# Altium PCB LED_MATRIX_8X16_MONO_R1.PcbDoc (part 2 of 2)
Units mm, origin at the board's own origin, x right, y up, seen from the top; angles counter-clockwise.
Board outline 474.95 x 224.95 mm, 2 copper layers (L1 (TOP), L2 (BOT)); 180 components, 159 nets, 556 pads, 137 vias.
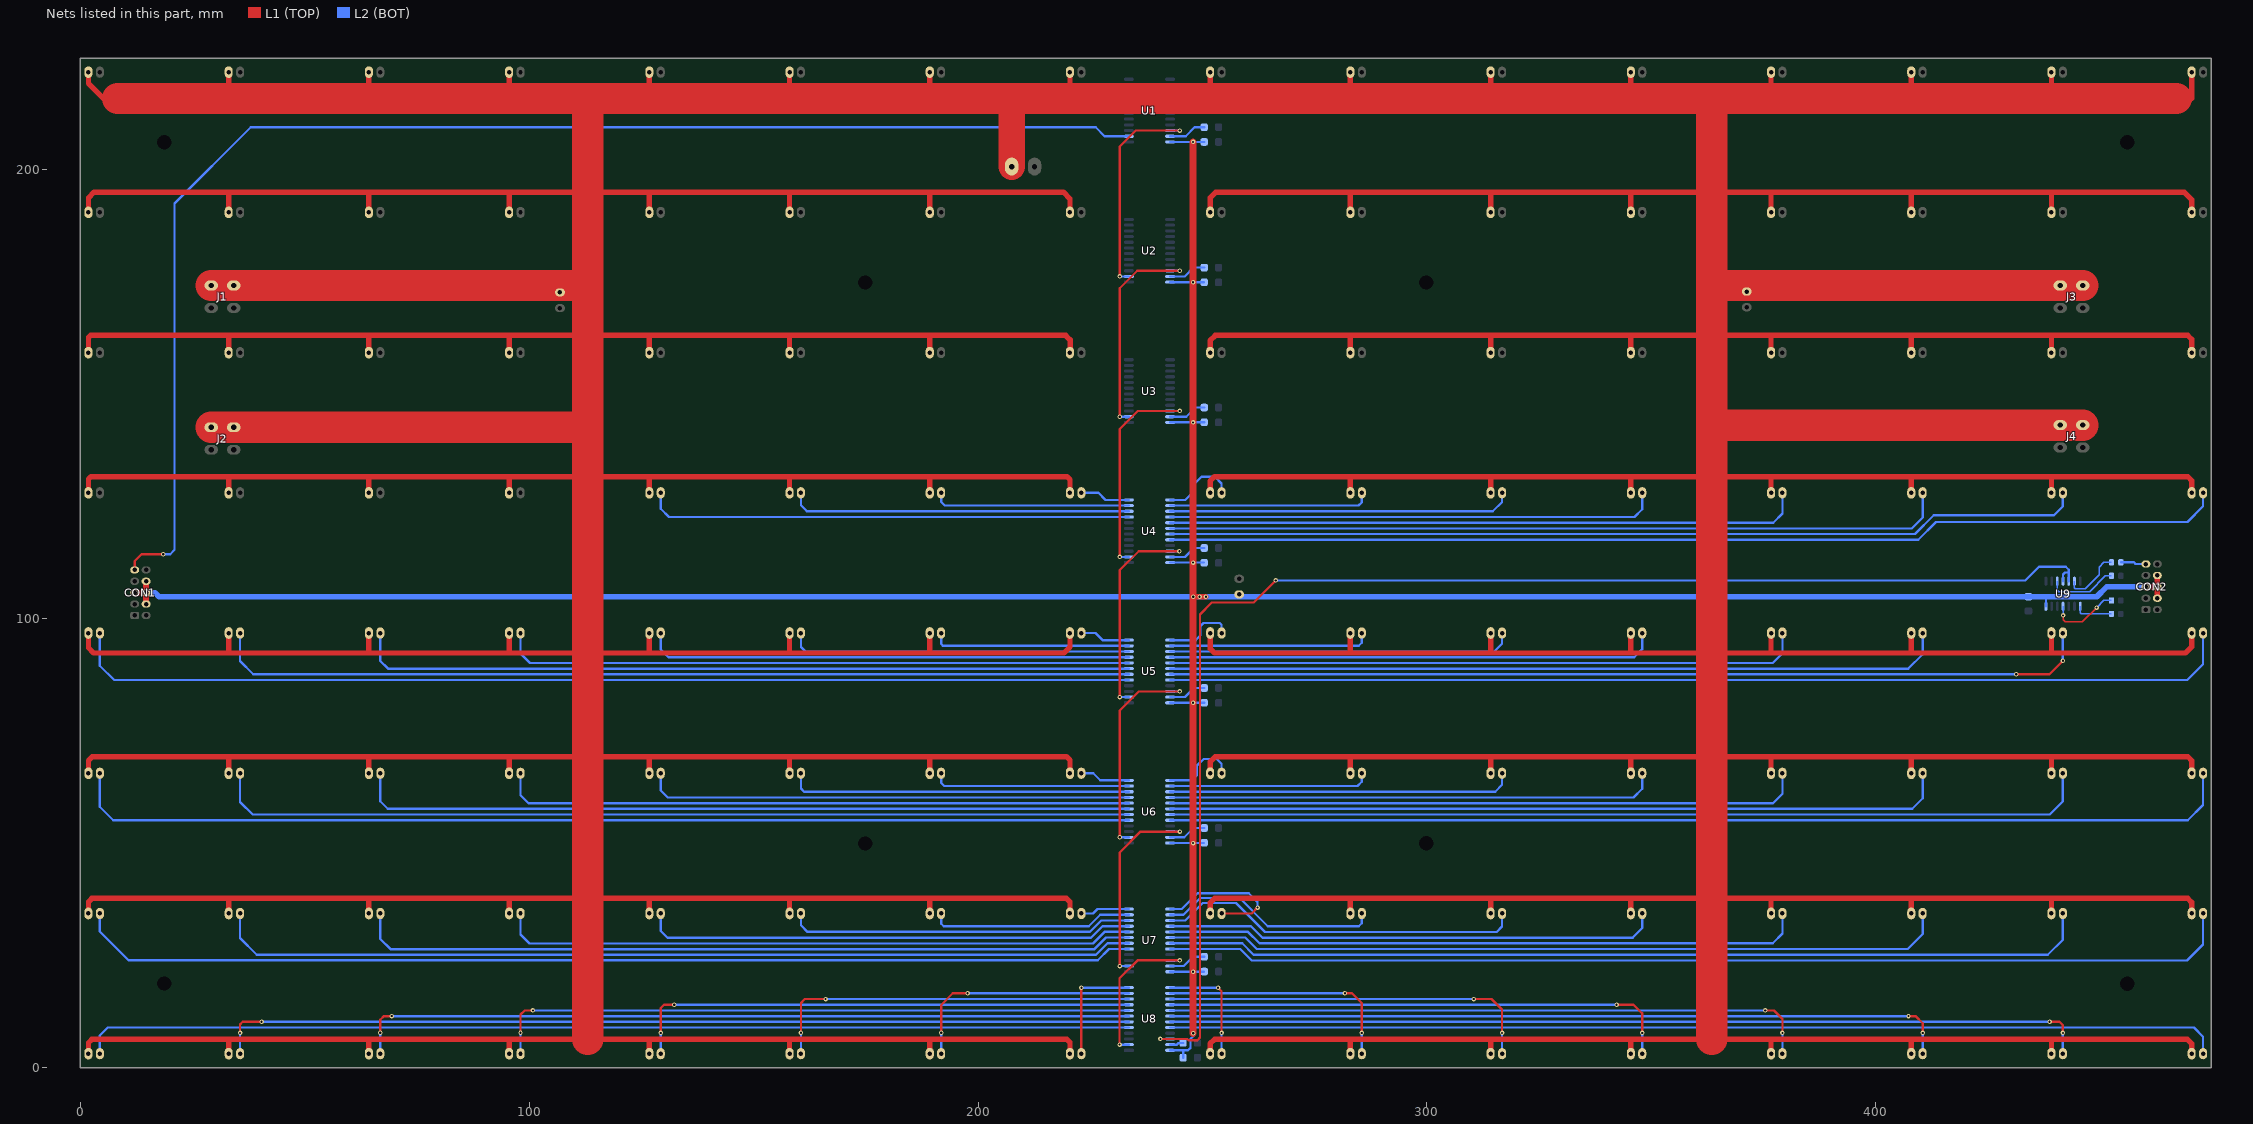
[diagram p2: the nets of this part, all layers, seen from the top]

## Via types
v1: diameter 1, hole 0.5, L1 (TOP) to L2 (BOT), tented both sides, 137 vias

## Nets (pads, with @x,y where several pads share a name; then routed paths per layer and width w, separated by ;. In a path a pad name is that pad's centre, name@x,y a point inside that pad or via, vN(x,y) a via of type N, cw(c..) or ccw(c..) an arc to the next point about the centre after c; other vN are vias at no path point) (continued)
NetD53_2: D53.2 U4.9 | length 108.6
  L2 (BOT) w0.508: D53.2@129.27,128 129.27,124.453 131.117,122.607 U4.9@233.601,122.607
NetD54_2: D54.2 U4.10 | length 76.4
  L2 (BOT) w0.508: D54.2@160.52,128 160.52,125.2 161.843,123.877 U4.10@233.601,123.877
NetD55_2: D55.2 U4.11 | length 44.2
  L2 (BOT) w0.508: D55.2@191.77,128 191.77,125.928 192.551,125.147 U4.11@233.601,125.147
NetD56_2: D56.2 U4.12 | length 11.2
  L2 (BOT) w0.508: D56.2@223.02,128 226.833,128 228.416,126.417 U4.12@233.601,126.417
NetD57_2: D57.2 U4.13 | length 17.3
  L2 (BOT) w0.508: U4.13@242.801,126.417 246.194,126.417 248.326,128.549 248.326,130.148 249.778,131.6 252.746,131.6 254.27,130.076 D57.2@254.27,128
NetD58_2: D58.2 U4.14 | length 45.2
  L2 (BOT) w0.508: U4.14@242.801,125.147 284.808,125.147 285.52,125.859 D58.2@285.52,128
NetD59_2: D59.2 U4.15 | length 76.9
  L2 (BOT) w0.508: U4.15@242.801,123.877 314.725,123.877 316.77,125.921 D59.2@316.77,128
NetD60_2: D60.2 U4.16 | length 109.6
  L2 (BOT) w0.508: U4.16@242.801,122.607 346.317,122.607 348.02,124.31 D60.2@348.02,128
NetD61_2: D61.2 U4.17 | length 141.9
  L2 (BOT) w0.508: U4.17@242.801,121.337 377.209,121.337 379.27,123.397 D61.2@379.27,128
NetD62_2: D62.2 U4.18 | length 174.2
  L2 (BOT) w0.508: U4.18@242.801,120.067 408.076,120.067 410.52,122.51 D62.2@410.52,128
NetD63_2: D63.2 U4.19 | length 204.5
  L2 (BOT) w0.508: U4.19@242.801,118.797 408.797,118.797 413,123 439.77,123 441.77,125 D63.2@441.77,128
NetD64_2: D64.2 U4.20 | length 236.3
  L2 (BOT) w0.508: U4.20@242.801,117.527 409.527,117.527 413.5,121.5 469.52,121.5 473.02,125 D64.2@473.02,128
NetD65_2: D65.2 U5.5 | length 237.9
  L2 (BOT) w0.508: D65.2@4.27,96.75 4.27,89.481 7.474,86.277 U5.5@233.601,86.277
NetD66_2: D66.2 U5.6 | length 205.6
  L2 (BOT) w0.508: D66.2@35.52,96.75 35.52,90.498 38.471,87.547 U5.6@233.601,87.547
NetD67_2: D67.2 U5.7 | length 173.8
  L2 (BOT) w0.508: D67.2@66.77,96.75 66.77,90.515 68.468,88.817 U5.7@233.601,88.817
NetD68_2: D68.2 U5.8 | length 141
  L2 (BOT) w0.508: D68.2@98.02,96.75 98.02,92.206 100.14,90.087 U5.8@233.601,90.087
NetD69_2: D69.2 U5.9 | length 108.7
  L2 (BOT) w0.508: D69.2@129.27,96.75 129.27,93.073 130.986,91.357 U5.9@233.601,91.357
NetD70_2: D70.2 U5.10 | length 76.6
  L2 (BOT) w0.508: D70.2@160.52,96.75 160.52,93.64 161.533,92.627 U5.10@233.601,92.627
NetD71_2: D71.2 U5.11 | length 44.5
  L2 (BOT) w0.508: D71.2@191.77,96.75 191.77,94.282 192.155,93.897 U5.11@233.601,93.897
NetD72_2: D72.2 U5.12 | length 11.2
  L2 (BOT) w0.508: D72.2@223.02,96.75 226.142,96.75 227.726,95.167 U5.12@233.601,95.167
NetD73_2: D73.2 U5.13 | length 16.3
  L2 (BOT) w0.508: U5.13@242.801,95.167 248.502,95.167 249.586,96.25 249.586,98.325 250.261,99 253.86,99 254.27,98.59 D73.2@254.27,96.75
NetD74_2: D74.2 U5.14 | length 45.2
  L2 (BOT) w0.508: U5.14@242.801,93.897 284.848,93.897 285.52,94.569 D74.2@285.52,96.75
NetD75_2: D75.2 U5.15 | length 77.1
  L2 (BOT) w0.508: U5.15@242.801,92.627 315.02,92.627 316.77,94.377 D75.2@316.77,96.75
NetD76_2: D76.2 U5.16 | length 109.6
  L2 (BOT) w0.508: U5.16@242.801,91.357 346.216,91.357 348.02,93.16 D76.2@348.02,96.75
NetD77_2: D77.2 U5.17 | length 141.9
  L2 (BOT) w0.508: U5.17@242.801,90.087 377.113,90.087 379.27,92.243 D77.2@379.27,96.75
NetD78_2: D78.2 U5.18 | length 173.8
  L2 (BOT) w0.508: U5.18@242.801,88.817 407.31,88.817 410.52,92.027 D78.2@410.52,96.75
NetD79_2: D79.2 U5.19 | length 206.4
  L1 (TOP) w0.508: v1(431.375,87.554) 438.764,87.554 v1(441.77,90.56)
  L2 (BOT) w0.508: U5.19@242.801,87.547 v1@431.375,87.547 ; v1@431.368,87.547 v1(431.375,87.554) ; v1(441.77,90.56) D79.2@441.77,96.75
NetD80_2: D80.2 U5.20 | length 238.6
  L2 (BOT) w0.508: U5.20@242.801,86.277 469.503,86.277 473.02,89.793 D80.2@473.02,96.75
NetD81_2: D81.2 U6.5 | length 238.1
  L2 (BOT) w0.508: D81.2@4.27,65.5 4.27,58.014 7.257,55.027 U6.5@233.601,55.027
NetD82_2: D82.2 U6.6 | length 205.6
  L2 (BOT) w0.508: D82.2@35.52,65.5 35.52,59.106 38.329,56.297 U6.6@233.601,56.297
NetD83_2: D83.2 U6.7 | length 173.8
  L2 (BOT) w0.508: D83.2@66.77,65.5 66.77,59.248 68.451,57.567 U6.7@233.601,57.567
NetD84_2: D84.2 U6.8 | length 141.2
  L2 (BOT) w0.508: D84.2@98.02,65.5 98.02,60.614 99.798,58.837 U6.8@233.601,58.837
NetD85_2: D85.2 U6.9 | length 108.8
  L2 (BOT) w0.508: D85.2@129.27,65.5 129.27,61.656 130.82,60.107 U6.9@233.601,60.107
NetD86_2: D86.2 U6.10 | length 76.8
  L2 (BOT) w0.508: D86.2@160.52,65.5 160.52,62.073 161.216,61.377 U6.10@233.601,61.377
NetD87_2: D87.2 U6.11 | length 44.3
  L2 (BOT) w0.508: D87.2@191.77,65.5 191.77,63.315 192.438,62.647 U6.11@233.601,62.647
NetD88_2: D88.2 U6.12 | length 11.2
  L2 (BOT) w0.508: D88.2@223.02,65.5 225.65,65.5 227.234,63.917 U6.12@233.601,63.917
NetD89_2: D89.2 U6.13 | length 17.2
  L2 (BOT) w0.508: U6.13@242.801,63.917 247.62,63.917 248.811,65.108 248.811,67.208 250.286,68.682 253.185,68.682 254.27,67.598 D89.2@254.27,65.5
NetD90_2: D90.2 U6.14 | length 45
  L2 (BOT) w0.508: U6.14@242.801,62.647 284.59,62.647 285.52,63.577 D90.2@285.52,65.5
NetD91_2: D91.2 U6.15 | length 77.2
  L2 (BOT) w0.508: U6.15@242.801,61.377 315.237,61.377 316.77,62.91 D91.2@316.77,65.5
NetD92_2: D92.2 U6.16 | length 109.5
  L2 (BOT) w0.508: U6.16@242.801,60.107 346.083,60.107 348.02,62.043 D92.2@348.02,65.5
NetD93_2: D93.2 U6.17 | length 141.9
  L2 (BOT) w0.508: U6.17@242.801,58.837 377.155,58.837 379.27,60.952 D93.2@379.27,65.5
NetD94_2: D94.2 U6.18 | length 174.3
  L2 (BOT) w0.508: U6.18@242.801,57.567 408.177,57.567 410.52,59.91 D94.2@410.52,65.5
NetD95_2: D95.2 U6.19 | length 206.4
  L2 (BOT) w0.508: U6.19@242.801,56.297 438.824,56.297 441.77,59.243 D95.2@441.77,65.5
NetD96_2: D96.2 U6.20 | length 238.7
  L2 (BOT) w0.508: U6.20@242.801,55.027 469.62,55.027 473.02,58.426 D96.2@473.02,65.5
NetD97_2: D97.2 U7.5 | length 237
  L2 (BOT) w0.508: D97.2@4.27,34.25 4.27,30.23 10.656,23.844 226.692,23.844 229.18,26.332 U7.5@233.609,26.332
NetD98_2: D98.2 U7.6 | length 206.2
  L2 (BOT) w0.508: D98.2@35.52,34.25 35.52,28.764 39.254,25.03 226.253,25.03 228.825,27.602 U7.6@233.609,27.602
NetD99_2: D99.2 U7.7 | length 174.5
  L2 (BOT) w0.508: D99.2@66.77,34.25 66.77,28.556 69.026,26.3 225.949,26.3 228.521,28.872 U7.7@233.609,28.872
NetD100_2: D100.2 U7.8 | length 142.2
  L2 (BOT) w0.508: D100.2@98.02,34.25 98.02,29.547 99.997,27.57 225.594,27.57 228.166,30.142 U7.8@233.609,30.142
NetD101_2: D101.2 U7.9 | length 109.9
  L2 (BOT) w0.508: D101.2@129.27,34.25 129.27,30.364 130.794,28.84 225.165,28.84 227.737,31.412 U7.9@233.609,31.412
NetD102_2: D102.2 U7.10 | length 77.4
  L2 (BOT) w0.508: D102.2@160.52,34.25 160.52,31.606 161.984,30.142 224.917,30.142 ; 224.892,30.142 227.432,32.682 U7.10@233.609,32.682
NetD103_2: D103.2 U7.11 | length 45.4
  L2 (BOT) w0.508: D103.2@191.77,34.25 191.77,31.973 192.363,31.38 224.656,31.38 227.227,33.952 U7.11@233.609,33.952
NetD104_2: D104.2 U7.12 | length 11
  L2 (BOT) w0.508: D104.2@223.02,34.25 225.626,34.25 226.598,35.222 U7.12@233.609,35.222
NetD105_2: D105.2 U7.13 | length 31.5
  L1 (TOP) w0.508: D105.2@254.27,34.25 260.97,34.25 v1(262.28,35.56)
  L2 (BOT) w0.508: U7.13@242.809,35.222 245.407,35.222 248.92,38.735 260.35,38.735 262.28,36.805 v1(262.28,35.56)
NetD106_2: D106.2 U7.14 | length 49.3
  L2 (BOT) w0.508: U7.14@242.809,33.952 245.788,33.952 249.53,37.694 258.293,37.694 264.586,31.4 284.86,31.4 285.52,32.06 D106.2@285.52,34.25
NetD107_2: D107.2 U7.15 | length 81.7
  L2 (BOT) w0.508: U7.15@242.809,32.682 246.194,32.682 250.088,36.576 257.505,36.576 263.951,30.13 315.582,30.13 316.77,31.318 D107.2@316.77,34.25
NetD108_2: D108.2 U7.16 | length 110.4
  L2 (BOT) w0.508: U7.16@242.809,31.412 260.815,31.412 263.367,28.86 345.879,28.86 348.02,31.001 D108.2@348.02,34.25
NetD109_2: D109.2 U7.17 | length 142.9
  L2 (BOT) w0.508: U7.17@242.809,30.142 260.172,30.142 262.724,27.59 377.101,27.59 379.27,29.759 D109.2@379.27,34.25
NetD110_2: D110.2 U7.18 | length 174.7
  L2 (BOT) w0.508: U7.18@242.809,28.872 259.537,28.872 262.089,26.32 407.172,26.32 410.52,29.668 D110.2@410.52,34.25
NetD111_2: D111.2 U7.19 | length 207.3
  L2 (BOT) w0.508: U7.19@242.809,27.602 258.851,27.602 261.403,25.05 438.419,25.05 441.77,28.401 D111.2@441.77,34.25
NetD112_2: D112.2 U7.20 | length 239.6
  L2 (BOT) w0.508: U7.20@242.809,26.332 258.42,26.332 260.972,23.78 469.441,23.78 473.02,27.359 D112.2@473.02,34.25
NetD113_2: D113.2 U8.5 | length 234.1
  L2 (BOT) w0.508: D113.2@4.27,3 4.27,7.07 6.027,8.827 U8.5@233.601,8.827
NetD114_2: D114.2 U8.6 | length 204.8
  L1 (TOP) w0.508: v1(35.52,7.62) 35.52,9.52 36.1,10.1 v1(40.3,10.1)
  L2 (BOT) w0.508: D114.2@35.52,3 v1(35.52,7.62) ; v1@40.303,10.097 U8.6@233.601,10.097
NetD115_2: D115.2 U8.7 | length 174.7
  L1 (TOP) w0.508: v1(66.77,7.67) 66.77,10.57 67.57,11.37 v1(69.3,11.37)
  L2 (BOT) w0.508: D115.2@66.77,3 v1(66.77,7.67) ; v1(69.3,11.37) U8.7@233.597,11.37
NetD116_2: D116.2 U8.8 | length 144.7
  L1 (TOP) w0.508: v1(98.02,7.68) 98.02,11.72 98.94,12.64 v1@100.803,12.64
  L2 (BOT) w0.508: D116.2@98.02,3 v1(98.02,7.68) ; v1(100.803,12.637) U8.8@233.601,12.637
NetD117_2: D117.2 U8.9 | length 114.8
  L1 (TOP) w0.508: v1(129.27,7.63) 129.27,13.17 130.01,13.91 v1(132.3,13.91)
  L2 (BOT) w0.508: D117.2@129.27,3 v1(129.27,7.63) ; v1(132.3,13.91) U8.9@233.597,13.91
NetD118_2: D118.2 U8.10 | length 84.8
  L1 (TOP) w0.508: v1(160.52,7.68) 160.52,14.32 161.376,15.177 v1(166.023,15.177)
  L2 (BOT) w0.508: D118.2@160.52,3 v1(160.52,7.68) ; v1(166.023,15.177) U8.10@233.601,15.177
NetD119_2: D119.2 U8.11 | length 53.8
  L1 (TOP) w0.508: v1(191.77,7.67) 191.77,13.87 194.346,16.447 v1(197.646,16.447)
  L2 (BOT) w0.508: D119.2@191.77,3 v1(191.77,7.67) ; v1(197.646,16.447) U8.11@233.601,16.447
NetD120_2: D120.2 U8.12 | length 25.3
  L1 (TOP) w0.508: D120.2@223.025,3.005 v1(223.025,17.717)
  L2 (BOT) w0.508: v1(223.025,17.717) U8.12@233.601,17.717
NetD121_2: D121.2 U8.13 | length 25.7
  L1 (TOP) w0.508: v1(253.483,17.717) 254.27,16.929 v1(254.27,7.629)
  L2 (BOT) w0.508: U8.13@242.801,17.717 v1(253.483,17.717) ; D121.2@254.27,3 v1(254.27,7.629)
NetD122_2: D122.2 U8.14 | length 54.9
  L1 (TOP) w0.508: v1(281.753,16.447) 283.353,16.447 285.52,14.279 v1(285.52,7.63)
  L2 (BOT) w0.508: U8.14@242.801,16.447 v1(281.753,16.447) ; D122.2@285.52,3 v1(285.52,7.63)
NetD123_2: D123.2 U8.15 | length 84.8
  L1 (TOP) w0.508: v1(310.476,15.177) 314.423,15.177 316.77,12.829 v1(316.77,7.629)
  L2 (BOT) w0.508: U8.15@242.801,15.177 v1(310.476,15.177) ; D123.2@316.77,3 v1(316.77,7.629)
NetD124_2: D124.2 U8.16 | length 115
  L1 (TOP) w0.508: v1(342.306,13.907) 346.093,13.907 348.02,11.979 v1(348.02,7.621)
  L2 (BOT) w0.508: U8.16@242.801,13.907 v1(342.306,13.907) ; D124.2@348.02,3 v1(348.02,7.621)
NetD125_2: D125.2 U8.17 | length 145
  L1 (TOP) w0.508: v1(375.463,12.637) 377.363,12.637 379.27,10.729 v1(379.27,7.629)
  L2 (BOT) w0.508: U8.17@242.801,12.637 v1(375.463,12.637) ; D125.2@379.27,3 v1(379.27,7.629)
NetD126_2: D126.2 U8.18 | length 175.2
  L1 (TOP) w0.508: v1(407.366,11.367) 408.933,11.367 410.52,9.779 v1(410.52,7.621)
  L2 (BOT) w0.508: U8.18@242.801,11.367 v1(407.366,11.367) ; D126.2@410.52,3 v1(410.52,7.621)
NetD127_2: D127.2 U8.19 | length 205.6
  L1 (TOP) w0.508: v1(438.796,10.097) 441.002,10.097 441.77,9.329 v1(441.77,7.629)
  L2 (BOT) w0.508: U8.19@242.801,10.097 v1(438.796,10.097) ; D127.2@441.77,3 v1(441.77,7.629)
NetD128_2: D128.2 U8.20 | length 234.8
  L2 (BOT) w0.508: U8.20@242.801,8.827 470.972,8.827 473.02,6.779 D128.2@473.02,3
NetR1_1: R1.1 U1.23 | length 8.4
  L2 (BOT) w0.508: U1.23@242.801,207.467 246.267,207.467 248.3,209.5 R1.1@250.4,209.5
NetR2_1: R2.1 U2.23 | length 8.4
  L2 (BOT) w0.508: U2.23@242.801,176.217 246.041,176.217 248.025,178.2 R2.1@250.4,178.2
NetR3_1: R3.1 U3.23 | length 8.4
  L2 (BOT) w0.508: U3.23@242.801,144.967 246.389,144.967 248.422,147 R3.1@250.4,147
NetR4_1: R4.1 U4.23 | length 8.4
  L2 (BOT) w0.508: U4.23@242.801,113.717 246.127,113.717 248.11,115.7 R4.1@250.4,115.7
NetR5_1: R5.1 U5.23 | length 8.4
  L2 (BOT) w0.508: U5.23@242.801,82.467 246.093,82.467 248.127,84.5 R5.1@250.4,84.5
NetR6_1: R6.1 U6.23 | length 8.5
  L2 (BOT) w0.508: U6.23@242.801,51.217 245.958,51.217 248.042,53.3 R6.1@250.4,53.3
NetR7_1: R7.1 U7.23 | length 8.5
  L2 (BOT) w0.508: U7.23@242.809,22.522 245.813,22.522 247.891,24.6 R7.1@250.4,24.6
NetR8_1: R8.1 U8.23 | length 3.1
  L2 (BOT) w0.508: U8.23@242.801,5.017 244.31,5.017 244.688,5.394 R8.1@245.706,5.394
NetR9_1: R9.1 U9.8 | length 8.4
  L2 (BOT) w0.305: U9.8@445.62,102.712 445.62,101.267 445.887,101 R9.1@452.5,101
NetR10_1: R10.1 U9.11 | length 15.9
  L1 (TOP) w0.305: v1(441.81,100.683) 441.81,99.743 442.341,99.212 446.075,99.212 v1(449.275,102.413)
  L2 (BOT) w0.305: v1(441.81,100.683) U9.11@441.81,102.712 ; v1(449.275,102.413) 450.862,104 R10.1@452.5,104
NetR11_1: R11.1 U9.3 | length 15.5
  L2 (BOT) w0.305: U9.3@440.54,108.3 440.54,106.322 440.868,105.994 447.751,105.994 451.257,109.5 R11.1@452.5,109.5
NetR12_1: R12.1 U9.6 | length 13.1
  L2 (BOT) w0.305: U9.6@444.35,108.3 444.35,106.83 444.551,106.629 446.735,106.629 449.834,109.728 449.834,111.433 450.901,112.5 R12.1@452.5,112.5
SDI: CON1.9 U1.2 | length 309.6
  L1 (TOP) w0.508: CON1.9@12.03,110.83 12.03,112.817 13.538,114.325 v1(18.39,114.325)
  L2 (BOT) w0.508: v1(18.39,114.325) 19.964,114.325 20.93,115.291 20.93,192.48 37.9,209.45 226.211,209.45 228.194,207.467 U1.2@233.601,207.467
SDI2: U1.22 U2.2 | length 48
  L1 (TOP) w0.508: v1(231.558,176.217) 231.558,205.168 235.127,208.737 v1(244.962,208.737)
  L2 (BOT) w0.508: v1(231.558,176.217) U2.2@233.601,176.217 ; U1.22@242.801,208.737 v1(244.962,208.737)
SDI3: U2.22 U3.2 | length 47.7
  L1 (TOP) w0.508: v1(231.592,144.967) 231.592,173.578 235.5,177.487 v1(244.938,177.487)
  L2 (BOT) w0.508: v1(231.592,144.967) U3.2@233.601,144.967 ; U2.22@242.801,177.487 v1(244.938,177.487)
SDI4: U3.22 U4.2 | length 47.7
  L1 (TOP) w0.508: v1(231.592,113.717) 231.592,142.234 235.594,146.237 v1(244.937,146.237)
  L2 (BOT) w0.508: v1(231.592,113.717) U4.2@233.601,113.717 ; U3.22@242.801,146.237 v1(244.937,146.237)
SDI5: U4.22 U5.2 | length 47.5
  L1 (TOP) w0.508: v1(231.583,82.467) 231.583,110.781 235.789,114.987 v1(244.887,114.987)
  L2 (BOT) w0.508: v1(231.583,82.467) U5.2@233.601,82.467 ; U4.22@242.801,114.987 v1(244.887,114.987)
SDI6: U5.22 U6.2 | length 47.6
  L1 (TOP) w0.508: v1(231.567,51.217) 231.567,79.497 235.806,83.737 v1(244.937,83.737)
  L2 (BOT) w0.508: v1(231.567,51.217) U6.2@233.601,51.217 ; U5.22@242.801,83.737 v1(244.937,83.737)
SDI7: U6.22 U7.2 | length 44.9
  L1 (TOP) w0.508: v1(231.572,22.522) 231.572,47.847 236.212,52.487 v1(244.987,52.487)
  L2 (BOT) w0.508: v1(231.572,22.522) U7.2@233.609,22.522 ; U6.22@242.801,52.487 v1(244.987,52.487)
SDI8: U7.22 U8.2 | length 34
  L1 (TOP) w0.508: v1(231.533,5.017) 231.533,19.783 235.542,23.792 v1(244.933,23.792)
  L2 (BOT) w0.508: v1(231.533,5.017) U8.2@233.601,5.017 ; U7.22@242.809,23.792 v1(244.933,23.792)
SDO8: U8.22 U9.4 U9.5 | length 309.5
  L1 (TOP) w0.508: v1(240.652,6.287) 246.596,6.287 246.913,5.969 248.844,5.969 249.453,6.579 249.453,100.889 252.095,103.53 261.417,103.53 v1(266.344,108.458)
  L2 (BOT) w0.508: v1(240.652,6.287) U8.22@242.801,6.287 ; v1(266.344,108.458) 433.375,108.458 436.448,111.531 442.417,111.531 443.08,110.869 U9.5@443.08,108.3 ; U9.4@441.81,108.3 441.81,109.781 442.265,110.236 443.08,110.236
SDO8X: CON2.9 R12.2 | length 5.7
  L2 (BOT) w0.508: R12.2@454.786,112.5 457.603,112.5 457.983,112.12 CON2.9@460.289,112.12
VCC: C1.1 C2.1 C3.1 C4.1 C5.1 C6.1 C7.1 C8.1 C9.1 C12.1 CON1.4 CON1.5 CON1.6 CON1.8 CON2.4 CON2.5 CON2.6 CON2.8 U1.24 U2.24 U3.24 U4.24 U5.24 U6.24 U7.24 U8.24 U9.14 | length 734.3
  L1 (TOP) w1.27: CON1.5@12.03,105.75 CON1.6@14.57,105.75 ; CON1.4@14.57,103.21 CON1.8@14.57,108.29 ; v1(247.929,104.845) v1@250.768,104.845 ; CON2.5@460.28,107.05 CON2.6@462.82,107.05 ; CON2.4@462.82,104.51 CON2.8@462.82,109.59
  L1 (TOP) w1.6: v1@247.922,7.552 v1(247.922,206.197)
  L2 (BOT) w0.508: U8.24@242.801,3.747 246.799,3.747 247.32,4.267 247.32,6.274 247.929,6.883 v1(247.929,7.544) ; U6.24@242.801,49.947 C6.1@250.347,49.947 ; U5.24@242.801,81.197 C5.1@250.397,81.197 ; U4.24@242.801,112.447 C4.1@250.353,112.447 ; U3.24@242.801,143.697 C3.1@250.397,143.697 ; U2.24@242.801,174.947 C2.1@250.353,174.947 ; U1.24@242.801,206.197 v1(247.922,206.197) C1.1@250.397,206.197 ; U7.24@242.809,21.252 C7.1@250.352,21.252 ; C8.1@245.7,2.1 245.7,3.741 ; U9.14@438,102.712 438,104.842
  L2 (BOT) w1.27: CON1.5@12.03,105.75 16.535,105.75 17.441,104.845 v1@250.768,104.845 ; v1(250.774,104.851) 265.881,104.851 ; C9.1@258.2,104.86 C9.1@258.2,105.35 ; 265.881,104.845 449.326,104.845 451.521,107.04 CON2.5@460.289,107.04 ; CON2.5@460.289,107.05 CON2.6@462.82,107.05
  other v1: 247.904,21.252 247.911,49.947 247.914,81.197 249.352,104.845 247.921,112.447 247.913,143.697 247.905,174.947
VLED: C10.1 C11.1 D1.1 D2.1 D3.1 D4.1 D5.1 D6.1 D7.1 D8.1 D9.1 D10.1 D11.1 D12.1 D13.1 D14.1 D15.1 D16.1 D17.1 D18.1 D19.1 D20.1 D21.1 D22.1 D23.1 D24.1 D25.1 D26.1 D27.1 D28.1 D29.1 D30.1 D31.1 D32.1 D33.1 D34.1 D35.1 D36.1 D37.1 D38.1 D39.1 D40.1 D41.1 D42.1 D43.1 D44.1 D45.1 D46.1 D47.1 D48.1 D49.1 D50.1 D51.1 D52.1 D53.1 D54.1 D55.1 D56.1 D57.1 D58.1 D59.1 D60.1 D61.1 D62.1 D63.1 D64.1 D65.1 D66.1 D67.1 D68.1 D69.1 D70.1 D71.1 D72.1 D73.1 D74.1 D75.1 D76.1 D77.1 D78.1 D79.1 D80.1 D81.1 D82.1 D83.1 D84.1 D85.1 D86.1 D87.1 D88.1 D89.1 D90.1 D91.1 D92.1 D93.1 D94.1 D95.1 D96.1 D97.1 D98.1 D99.1 D100.1 D101.1 D102.1 D103.1 D104.1 D105.1 D106.1 D107.1 D108.1 D109.1 D110.1 D111.1 D112.1 D113.1 D114.1 D115.1 D116.1 D117.1 D118.1 D119.1 D120.1 D121.1 D122.1 D123.1 D124.1 D125.1 D126.1 D127.1 D128.1 J1.1 J2.1 J3.2 J4.2 J5.2 | length 4809.1
  L1 (TOP) w1.2: D113.1@1.73,3 1.73,5.43 2.5,6.2 219.8,6.2 220.48,5.52 D120.1@220.48,3 ; D97.1@1.73,34.25 1.73,36.83 2.5,37.6 219.7,37.6 220.48,36.82 D104.1@220.48,34.25 ; D81.1@1.73,65.5 1.73,68.33 2.6,69.2 219.7,69.2 220.48,68.42 D88.1@220.48,65.5 ; D65.1@1.73,96.75 1.73,93.47 2.9,92.3 219.1,92.3 220.48,93.68 D72.1@220.48,96.75 ; D49.1@1.73,128 1.73,131.03 2.3,131.6 219.8,131.6 220.48,130.92 D56.1@220.48,128 ; D33.1@1.73,159.25 1.73,162.63 2.2,163.1 219.5,163.1 220.5,162.1 D40.1@220.5,159.2 ; D17.1@1.73,190.5 1.73,193.73 3,195 219,195 220.48,193.52 D24.1@220.48,190.5 ; D1.1@1.73,221.75 1.73,219.27 5.8,215.2 9.6,215.2 ; D114.1@32.98,3 32.98,6.18 ; D98.1@32.98,34.25 32.98,37.58 ; D82.1@32.98,65.5 32.98,69.18 ; 32.98,92.32 D66.1@32.98,96.75 ; D50.1@32.98,128 32.98,131.58 ; D34.1@32.98,159.25 32.98,163.02 ; D18.1@32.98,190.5 32.98,194.98 ; 32.98,215.32 D2.1@32.98,221.75 ; D115.1@64.23,3 64.23,6.17 ; D99.1@64.23,34.25 64.23,37.53 ; D83.1@64.23,65.5 64.23,69.17 ; 64.23,92.33 D67.1@64.23,96.75 ; D51.1@64.23,128 64.23,131.57 ; D35.1@64.23,159.25 64.23,163.03 ; D19.1@64.23,190.5 64.23,194.87 ; 64.23,215.23 D3.1@64.23,221.75 ; D116.1@95.48,3 95.48,6.12 ; D100.1@95.48,34.25 95.48,37.58 ; D84.1@95.48,65.5 95.48,69.18 ; 95.48,92.32 D68.1@95.48,96.75 ; D52.1@95.48,128 95.48,131.52 ; D36.1@95.48,159.25 95.48,163.08 ; D20.1@95.48,190.5 95.48,194.92 ; 95.48,215.28 D4.1@95.48,221.75 ; D117.1@126.73,3 126.73,6.13 ; D101.1@126.73,34.25 126.73,37.57 ; D85.1@126.73,65.5 126.73,69.17 ; 126.73,92.33 D69.1@126.73,96.75 ; D53.1@126.73,128 126.73,131.57 ; D37.1@126.73,159.25 126.73,163.07 ; D21.1@126.73,190.5 126.73,194.97 ; 126.73,215.37 D5.1@126.73,221.75 ; D118.1@157.98,3 157.98,6.18 ; D102.1@157.98,34.25 157.98,37.58 ; D86.1@157.98,65.5 157.98,69.18 ; 157.98,92.32 D70.1@157.98,96.75 ; D54.1@157.98,128 157.98,131.58 ; D38.1@157.98,159.25 157.98,163.08 ; D22.1@157.98,190.5 157.98,194.92 ; 157.98,215.38 D6.1@157.98,221.75 ; D119.1@189.23,3 189.23,6.13 ; D103.1@189.23,34.25 189.23,37.57 ; D87.1@189.23,65.5 189.23,69.17 ; 189.23,92.33 D71.1@189.23,96.75 ; D55.1@189.23,128 189.23,131.57 ; D39.1@189.23,159.25 189.23,163.07 ; D23.1@189.23,190.5 189.23,194.93 ; 189.23,215.33 D7.1@189.23,221.75 ; 220.48,215.22 D8.1@220.48,221.75 ; D121.1@251.73,3 251.73,5.23 252.7,6.2 469.5,6.2 470.48,5.22 D128.1@470.48,3 ; D105.1@251.73,34.25 251.73,36.63 252.7,37.6 469.6,37.6 470.48,36.72 D112.1@470.48,34.25 ; D89.1@251.73,65.5 251.73,68.03 252.9,69.2 469.6,69.2 470.48,68.32 D96.1@470.48,65.5 ; D73.1@251.73,96.75 251.73,93.27 252.7,92.3 469.1,92.3 470.48,93.68 D80.1@470.48,96.75 ; D57.1@251.73,128 251.73,130.63 252.7,131.6 469.6,131.6 470.48,130.72 D64.1@470.48,128 ; D41.1@251.73,159.25 251.73,161.93 252.9,163.1 469.6,163.1 470.48,162.22 D48.1@470.48,159.25 ; D25.1@251.73,190.5 251.73,193.73 253,195 468.8,195 470.48,193.32 D32.1@470.48,190.5 ; 251.73,215.27 D9.1@251.73,221.75 ; D122.1@282.98,3 282.98,6.12 ; D106.1@282.98,34.25 282.98,37.52 ; D90.1@282.98,65.5 282.98,69.12 ; 282.98,92.32 D74.1@282.98,96.75 ; D58.1@282.98,128 282.98,131.58 ; D42.1@282.98,159.25 282.98,163.02 ; D26.1@282.98,190.5 282.98,194.92 ; 282.98,215.22 D10.1@282.98,221.75 ; D123.1@314.23,3 314.23,6.17 ; D107.1@314.23,34.25 314.23,37.53 ; D91.1@314.23,65.5 314.23,69.17 ; 314.23,92.37 D75.1@314.23,96.75 ; D59.1@314.23,128 314.23,131.57 ; D43.1@314.23,159.25 314.23,163.07 ; D27.1@314.23,190.5 314.23,194.87 ; 314.23,215.27 D11.1@314.23,221.75 ; D124.1@345.48,3 345.48,6.18 ; D108.1@345.48,34.25 345.48,37.52 ; D92.1@345.48,65.5 345.48,69.18 ; 345.48,92.32 D76.1@345.48,96.75 ; D60.1@345.48,128 345.48,131.58 ; D44.1@345.48,159.25 345.48,163.02 ; D28.1@345.48,190.5 345.48,194.98 ; 345.48,215.28 D12.1@345.48,221.75 ; D125.1@376.73,3 376.73,6.17 ; D109.1@376.73,34.25 376.73,37.57 ; D93.1@376.73,65.5 376.73,69.17 ; 376.73,92.33 D77.1@376.73,96.75 ; D61.1@376.73,128 376.73,131.53 ; D45.1@376.73,159.25 376.73,162.97 ; D29.1@376.73,190.5 376.73,194.97 ; 376.73,215.23 D13.1@376.73,221.75 ; D126.1@407.98,3 407.98,6.18 ; D110.1@407.98,34.25 407.98,37.52 ; D94.1@407.98,65.5 407.98,69.12 ; 407.98,92.32 D78.1@407.98,96.75 ; D62.1@407.98,128 407.98,131.58 ; D46.1@407.98,159.25 407.98,163.02 ; D30.1@407.98,190.5 407.98,194.98 ; 407.98,215.28 D14.1@407.98,221.75 ; D127.1@439.23,3 439.23,6.17 ; D111.1@439.23,34.25 439.23,37.57 ; D95.1@439.23,65.5 439.23,69.17 ; 439.23,92.33 D79.1@439.23,96.75 ; D63.1@439.23,128 439.23,131.57 ; D47.1@439.23,159.25 439.23,163.07 ; D31.1@439.23,190.5 439.23,194.97 ; 439.23,215.27 D15.1@439.23,221.75 ; 467.1,215.2 469.745,215.2 470.48,215.935 D16.1@470.48,221.75
  L1 (TOP) w2: C11.1@106.812,172.657 106.812,174.188 ; C10.1@371.312,172.857 371.312,174.188
  L1 (TOP) w6: J5.2@207.5,200.7 207.5,215.2
  L1 (TOP) w7: 8.3,215.886 467.1,215.886 ; J2.1@29.1,142.6 J2.1@34.1,142.6 113.007,142.6 ; J1.1@29.1,174.2 112.921,174.2 ; 113,215.2 113.002,195 113.005,163.1 113.007,142.6 ; 113.021,6.2 113.018,37.6 113.015,69.2 113.012,92.3 113.011,109.612 113.008,131.6 113.007,142.6 ; 363.5,143.1 J4.2@446.2,143.1 ; 363.5,215.2 363.501,195 363.502,163.1 363.502,143.1 363.503,131.6 363.503,111.088 363.504,92.3 363.505,69.2 363.506,37.6 363.507,6.2 ; 363.507,174.2 J3.2@446.2,174.2
  L2 (BOT) w1: D32.1@470.48,190.5 D32.1@470.48,191.07
pads on no net: MH1.0 MH2.0 MH3.0 MH4.0 MH5.0 MH6.0 MH7.0 MH8.0
copper on no net: | length 60.4
  L2 (BOT) w0.6: 436.728,107.772 ccw(c436.428,107.772) 436.728,107.772
  L2 (BOT) w0.635: 14.3,137.4 17.043,137.4 ; 14.3,169 17.043,169 ; 14.331,142.688 17.074,142.688 ; 14.331,174.188 17.074,174.188 ; 15.702,141.393 15.702,143.907 ; 15.702,172.893 15.702,175.407 ; 111.031,174.1 113.774,174.1 ; 112.402,172.805 112.402,175.319 ; 201.3,206.1 204.018,206.1 ; 202.6,204.6 202.6,207.623 ; 214.9,206 217.592,206 ; 257.7,112.2 260,112.2 ; 258.2,97.6 260.943,97.6 ; 259.572,96.305 259.572,98.819 ; 376.181,173.756 378.696,173.756 ; 377.4,172.384 377.4,175.127 ; 458.226,138.112 460.969,138.112 ; 458.226,169.212 460.969,169.212 ; 458.257,143.3 461,143.3 ; 458.257,174.4 461,174.4 ; 459.6,142.085 459.6,144.6 ; 459.6,173.185 459.6,175.7

## Polygon pours and split planes (outlines as drawn)
GND on L1 (TOP) "TopLayer-GND" (hatched 90Degree grid 0.203 track 0.254, remove dead copper, pour order 0): 232.435,84.76 245.135,84.76 245.135,113.792 235.864,113.792 232.435,110.363
GND on L1 (TOP) "TopLayer-GND 1" (hatched 90Degree grid 0.203 track 0.254, remove dead copper, pour order 14): 0,-0.025 0,224.975 475,224.975 475,-0.025
GND on L2 (BOT) "BottomLayer-GND 4" (hatched 90Degree grid 0.203 track 0.305, remove dead copper, pour order 16): 0,225 475,225 475,0 0,0
GND on L2 (BOT) "BottomLayer-GND" (hatched 90Degree grid 0.203 track 0.254, remove dead copper, pour order 2): 232.334,101.321 245.135,101.321 245.135,96.139 232.334,96.139
GND on L2 (BOT) "BottomLayer-GND 1" (hatched 90Degree grid 0.203 track 0.254, remove dead copper, pour order 4): 231.445,107.696 245.135,107.696 245.135,111.633 231.445,111.633
GND on L2 (BOT) "BottomLayer-GND 2" (hatched 90Degree grid 0.203 track 0.254, remove dead copper, pour order 10): 235.026,0.305 241.325,0.305 241.325,101.295 235.026,101.295
GND on L2 (BOT) "BottomLayer-GND 3" (hatched 90Degree grid 0.203 track 0.254, remove dead copper, pour order 12): 235.306,222.148 241.249,222.148 241.249,107.747 235.306,107.747

## Keep-outs
KeepOutLayer:
  lines w0.2: 474.75,224.7 474.75,0 0,0 0,224.75 474.75,224.75

## Silkscreen, mask and mechanical layers (free items; w line width, h text height)
BottomSolder:
  text "VCC" at 13.1,172.2 h3
  text "VCC" at 470.2,172.2 h3
  text "GND" at 13.1,167.2 h3
  text "GND" at 470.2,167.2 h3
  text "VCC" at 470.2,141.1 h3
  text "VCC" at 13.1,140.6 h3
  text "GND" at 470.2,136.1 h3
  text "GND" at 13.1,135.6 h3
Outline:
  lines w0.2: 0,0 0,224.75 474.75,224.75 474.75,0 0,0
Dimension:
  lines w0.2: -10,0 0,0 0,-10 ; -10,224.75 0,224.75 ; 474.75,-10 474.75,0
  lines w0.254: -11.667,5 -10,0 ; -11.667,219.75 -10,224.75 ; -10.254,0 -9.746,0 ; -10.254,224.75 -9.746,224.75 ; -10,86.629 -10,0 ; -10,138.121 -10,224.75 ; -8.333,5 -10,0 ; -8.333,219.75 -10,224.75 ; 0,-10.254 0,-9.746 ; 5,-11.667 0,-10 ; 5,-8.333 0,-10 ; 211.629,-10 0,-10 ; 263.121,-10 474.75,-10 ; 469.75,-11.667 474.75,-10 ; 469.75,-8.333 474.75,-10 ; 474.75,-10.254 474.75,-9.746
  text "224.75 (mm)" at -7.001,86.883 h5 r90
  text "474.75 (mm)" at 211.883,-12.999 h5

## Text inside footprints (layer, text, board x,y; h text height)
ST1: L1 (TOP) "1" at 10.681,2.022 h1.5; L2 (BOT) "2" at 13.245,2.021 h1.5